# Altium PCB Arribada-PMP-PCB.PcbDoc (part 1 of 4) (continued)
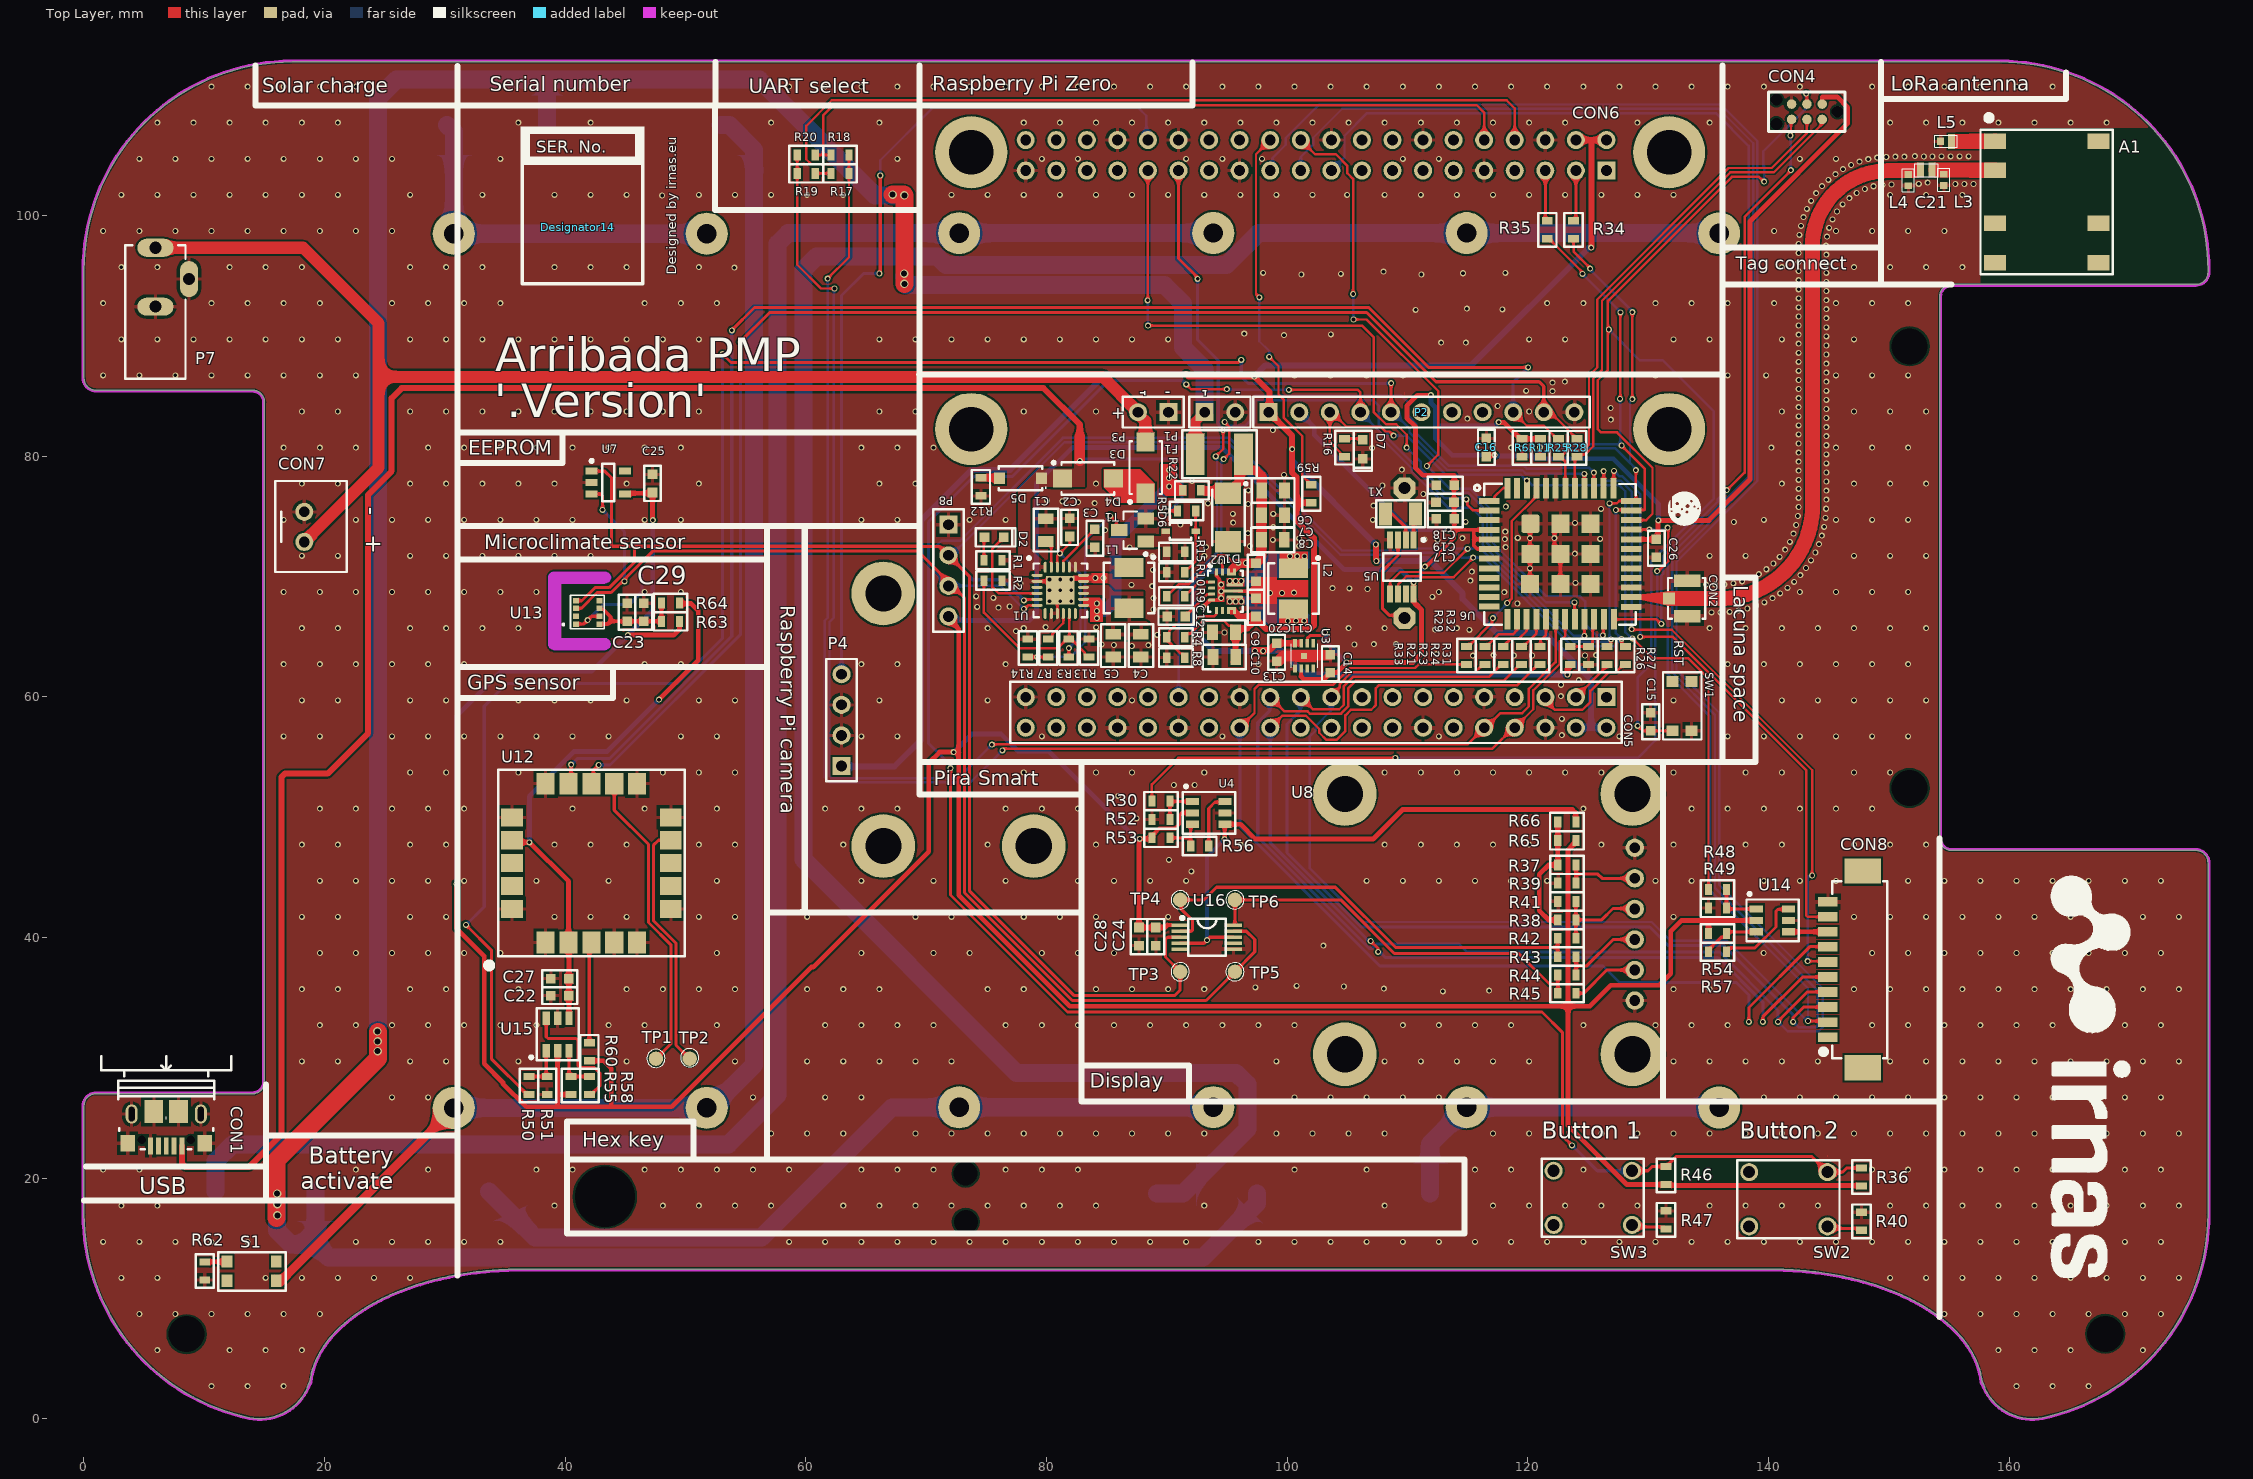
[diagram p0: Top Layer view]
## Part data (continued)
C19: "10uf/0603/20%", Manufacturer=KEMET, Manufacturer Part Number=C0603C106M8PACTU, Supplier Part Number 1=2820985, Pricing 1="10=0.555, 100=0.315, 500=0.238, 1000=0.2, 2000=0.174, 4000=0.143, 20000=0.123 (GBP)", Stock 1=0, Supplier 1=Farnell
C21: library part "C - 1.8pF/0402", "Multilayer Ceramic Capacitors MLCC - SMD/SMT 50volts 1.8pF C0G", Capacitance=1.8pF, Case/Package=0402, Case Code (Metric)=1005, Dielectric Material=Ceramic, IRNAS Part No.=/, Manufacturer=KEMET, Manufacturer Part Number=C0402C189B5GACTU, Max Operating Temperature=125°C, Min Operating Temperature=-55°C, Supplier Part Number 1=2627398, Voltage Rating=50V, Case Code (Imperial)=0402, ComponentLink1Description=https://datasheet.ciiva.com/5413/kem-c1003-c0g-smd-5413366.pdf, ComponentLink1URL=https://datasheet.ciiva.com/5413/kem-c1003-c0g-smd-5413366.pdf, Lead Free="Lead Free", Packaging="Tape and Reel", Pricing 1="10=0.463, 100=0.248, 500=0.182, 2500=0.153, 5000=0.134, 10000=0.11, 50000=0.0961 (EUR)", Stock 1=8950, Supplier 1=Farnell, Termination=SMD/SMT, Voltage Rating (DC)=50V
C22 C23 C28: library part "C - 100nF", "MURATA - GRM188R71C104KA01J - CAP, MLCC, X7R, 0.1UF, 16V, 0603", Capacitance=0.1, Capacitance Tolerance="± 10%", Ceramic Capacitor Case="0603 [1608 Metric]", Dielectric Characteristic=X7, IRNAS Part No.=I-200005, Manufacturer=MURATA, Manufacturer Part Number=GRM188R71C104KA01J, Operating Temperature Max=125, Operating Temperature Min=-55, Supplier Part Number 1=2688519, Voltage Rating=16, Automotive Qualification Standard=-, ComponentLink1Description=http://www.farnell.com/datasheets/2189124.pdf, ComponentLink1URL=http://www.farnell.com/datasheets/2189124.pdf, MSL="MSL 1 - Unlimited", Packaging="Cut Tape", Pricing 1="10=0.0145, 100=0.0126, 500=0.0081, 2500=0.0059, 5000=0.0052, 10000=0.0046, 50000=0.0036, 100000=0.0035 (GBP)", Product Range="GRM Series", RoHS=YES, Stock 1=18297, Supplier 1=Farnell, SVHC="No SVHC (20-Jun-2016"
CON1: library part "Micro USB CHINA 1"
CON2: library part "Antena copnnector", "CONN UMC JACK STR 50 OHM SMD", Dielectric Material="Liquid Crystal Polymer (LCP)", Frequency - Max=6GHz, Housing Color=Beige, Manufacturer=Hirose, Manufacturer Part Number=U.FL-R-SMT-1(10), Operating Temperature="-40°C ~ 90°C", Standard Package=2,500, Supplier Part Number 1=1688077, Voltage Rating=-, Body Finish=Silver, Body Material="Phosphor Bronze", Cable Group=-, Category="Connectors, Interconnects", Center Contact Material=Brass, Center Contact Plating=Gold, ComponentLink1Description=http://www.farnell.com/datasheets/91524.pdf, ComponentLink1URL=http://www.farnell.com/datasheets/91524.pdf, ComponentLink2Description=http://uk.rs-online.com/webdocs/1363/0900766b81363563.pdf, ComponentLink2URL=http://uk.rs-online.com/webdocs/1363/0900766b81363563.pdf, ComponentLink3Description=http://www.farnell.com/datasheets/1947917.pdf, ComponentLink3URL=http://www.farnell.com/datasheets/1947917.pdf, Connector Style="U.FL, Ultra Miniature Coaxial", Connector Type="Receptacle, Male Pin", Contact Termination=Solder, Family="Coaxial Connectors (RF)", Fastening Type=Snap-On, Featured Product="U.FL Series Connectors", Features=-, Impedance="50 Ohm", Ingress Protection=-, Mounting Type="Surface Mount", Online Catalog="UMCC (Ultra Miniature Coax Connectors), U.FL Series", Other Names="H11891TR  Q5400621  U.FL-R-SMT-1 10  U.FL-R-SMT-1(10)-ND  UFLRSMT110", Packaging="Tape & Reel (TR)", Series=U.FL, Shield Termination=Solder, Stock 1=0, Supplier 1=Farnell
CON3: library part CR-2032/VCN, "BATT LITH COIN 3V CELL PC PINS", Capacity="225 mAh", Manufacturer="Panasonic BSG", Operating Temperature Range="- 30 C to + 60 C", Output Voltage="3 V", Supplier Part Number 1=1892670, Battery Size=2032, Brand="Panasonic Battery", Chemistry=Lithium, ComponentLink1Description=http://www.mouser.com/ds/2/315/AAA4000CE51-586417.pdf, ComponentLink1URL=http://www.mouser.com/ds/2/315/AAA4000CE51-586417.pdf, ComponentLink2Description=http://uk.rs-online.com/webdocs/108e/0900766b8108ebf4.pdf, ComponentLink2URL=http://uk.rs-online.com/webdocs/108e/0900766b8108ebf4.pdf, ComponentLink3Description=https://na.industrial.panasonic.com/sites/default/pidsa/files/panasonic-lithium-cr2032-datasheet.pdf, ComponentLink3URL=https://na.industrial.panasonic.com/sites/default/pidsa/files/panasonic-lithium-cr2032-datasheet.pdf, Diameter="20 mm", Factory Pack Quantity=480, Height="3.2 mm", Manufacturer Part Number=CR-2032/VCN, Orientation=Vertical, Packaging=Bulk, Part # Aliases=CR-2032/VCN, Pricing 1="1=0.91, 50=0.892, 100=0.874, 500=0.855, 1000=0.837 (GBP)", Product Category="Coin Cell Battery", Rechargeable/Non-Rechargeable=Non-Rechargeable, RoHS="Not Applicable", Series=CR, Stock 1=1004, Supplier 1=Farnell, Termination Style="Through Hole", Type="Lithium Primary Coil Batteries"
CON4: library part "tag connecot 6 pin"
CON5: "Header, 20-Pin, Dual row", LatestRevisionDate=17-Jul-2002, LatestRevisionNote="Re-released for DXP Platform.", Publisher="Altium Limited"
CON6: "Header, 20-Pin, Dual row", Supplier Part Number 1="RPi header", LatestRevisionDate=17-Jul-2002, LatestRevisionNote="Re-released for DXP Platform.", Publisher="Altium Limited"
CON7: library part "B2B-XH-A (LF)(SN)", "Wire-To-Board Connector, Vertical, 2.5 mm, 2 Contacts, Header, XH Series, Through Hole, 1 Rows", Supplier Part Number 1=1516276, ComponentLink1Description=Datasheet, ComponentLink1URL=http://www.farnell.com/datasheets/2057209.pdf?_ga=2.26100990.2144023421.1568612611-1741076818.1563951383, Supplier 1=Farnell
CON8: library part "PicoBlade 10pin", "Wire-To-Board Connector, Right Angle, 1.25 mm, 10 Contacts, Header, PicoBlade 53261 Series", Supplier Part Number 1=1125377, ComponentLink1Description=Datasheet, ComponentLink1URL=http://www.farnell.com/datasheets/2697773.pdf?_ga=2.235245378.2144023421.1568612611-1741076818.1563951383, Supplier 1=Farnell
D1: "VISHAY - RS1J-E3/61T.. - DIODE, FAST, 1A, 600V, SMD", Alternate Case Style=DO-214, Current Ifsm=30, Forward Current If(AV)=1, Forward Voltage=1.3, Junction Temperature Tj Max=150, Manufacturer=VISHAY, Operating Temperature Min=-55, Operating Temperature Range="-55°C to +150", Repetitive Reverse Voltage Vrrm Max=600, Supplier Part Number 1=9550143, Automotive Qualification Standard=-, ComponentLink1Description=http://www.vishay.com/docs/88869/packagin.pdf, ComponentLink1URL=http://www.vishay.com/docs/88869/packagin.pdf, ComponentLink2Description=http://www.vishay.com/doc?88707, ComponentLink2URL=http://www.vishay.com/doc?88707, ComponentLink3Description=http://www.farnell.com/datasheets/2244878.pdf, ComponentLink3URL=http://www.farnell.com/datasheets/2244878.pdf, Diode Case Style=DO-214, Diode Configuration=Single, Diode Type="Fast Recovery", External Depth=2.79, External Length / Height=2.29, External Width=5.28, Forward Current If Max=1, Forward Surge Current Ifsm Max=30, Forward Voltage VF Max=1.3, Manufacturer Part Number=RS1J-E3/61T.., No. of Pins="2 Pin", Operating Temperature Max=150, Packaging="Cut Tape", Pricing 1="10=0.164, 100=0.111, 200=0.093, 500=0.0847, 1000=0.083, 3000=0.0813, 9000=0.0796, 30000=0.0779 (GBP)", Product Range=RS1, Reverse Recovery Time trr Max=250, RoHS=YES, Stock 1=4705, Supplier 1=Farnell, SVHC="No SVHC (15-Jun-2015)", Tape Width="12mm<!--FANDB--><div class=\"features-and-benefits-container\"><div class=\"features-and-benefits-desc-container\"><span class=\"features-and-benefits-container-desc\">Fast / Ultrafast Diode, 600 V, 1 A, Single, 1.3 V, 250 ns, 30 A</span></div><div class=\"features-and-benefits-description\"><span class=\"features-benefits-value\">The RS1J-E3/5AT is a surface-mount Fast Switching Rectifier with solderable matte tin-plated terminals. It is suitable for use in fast switching rectification of power supply, inverters, converters and freewheeling diodes.</span></div><div class=\"features-and-benefits-list\"><ul class=\"features-and-benefits-list-list\"><li class=\"features-and-benefits-list-item\">Colour band denotes cathode end</li><li class=\"features-and-benefits-list-item\">Low-profile package</li><li class=\"features-and-benefits-list-item\">Ideal for automated placement</li><li class=\"features-and-benefits-list-item\">Glass-passivated pallet chip junction</li><li class=\"features-and-benefits-list-item\">Fast switching for high efficiency</li><li class=\"features-and-benefits-list-item\">High forward surge capability</li><li class=\"features-and-benefits-list-item\">Meets MSL level 1 as per J-STD-020, LF maximum peak of 260°C</li><li class=\"features-and-benefits-list-item\">AEC-Q101 qualified</li><li class=\"features-and-benefits-list-item\">UL94V-0 Flammability rating</li></ul></div><div class=\"features-and-benefits-applications\"><ul class=\"features-and-benefits-value\"><li class=\"features-and-benefits-list-item\">Power Management</li><li class=\"features-and-benefits-list-item\">Consumer Electronics</li><li class=\"features-and-benefits-list-item\">Commercial</li><li class=\"features-and-benefits-list-item\">Communications & Networking</li><li class=\"features-and-benefits-list-item\">Automotive</li></ul></div></div>"
D2: "BROADCOM LIMITED - HSMS-C190 - LED, RED, 10MCD, 626NM", Forward Current If=20, Forward Voltage=2.1, LED Colour=Red, Manufacturer="BROADCOM LIMITED", Manufacturer Part Number=HSMS-C190, Supplier Part Number 1=2497356, Automotive Qualification Standard=-, Bulb Size=-, ComponentLink1Description=http://www.farnell.com/datasheets/313031.pdf, ComponentLink1URL=http://www.farnell.com/datasheets/313031.pdf, ComponentLink2Description=http://www.farnell.com/datasheets/1681524.pdf, ComponentLink2URL=http://www.farnell.com/datasheets/1681524.pdf, ComponentLink3Description=http://www.farnell.com/datasheets/2165483.pdf, ComponentLink3URL=http://www.farnell.com/datasheets/2165483.pdf, LED Mounting=SMD, Lens Shape=Rectangular, Luminous Intensity=10, MSL=-, Packaging="Cut Tape", Pricing 1="1=0.361, 10=0.256, 50=0.235, 100=0.106, 200=0.101 (GBP)", Product Range=-, RoHS=YES, Stock 1=7534, Supplier 1=Farnell, SVHC="No SVHC (17-Dec-2015)<!--FANDB--><div class=\"features-and-benefits-container\"><div class=\"features-and-benefits-description\"><span class=\"features-benefits-value\">The HSMS-C190 is a HER SMD Chip LED with untinted/diffused lens, made of GaP. It is designed in an industry standard package 1.6 x 0.8mm footprint with 0.8mm profile. It is compatible with IR reflow solder processes. The small size and wide viewing angle make this LED prime choices for backlighting applications and front panel illumination especially where space is a premium.</span></div><div class=\"features-and-benefits-list\"><ul class=\"features-and-benefits-list-list\"><li class=\"features-and-benefits-list-item\">Small size</li><li class=\"features-and-benefits-list-item\">Industry standard footprint</li><li class=\"features-and-benefits-list-item\">Compatible with IR solder</li><li class=\"features-and-benefits-list-item\">Diffused optics</li><li class=\"features-and-benefits-list-item\">-40 to 85", Viewing Angle=170°, Wavelength Typ=626
D3 D4: "VISHAY - SE30AFG-M3/6A - RECTIFIER, ESD, 400V, 3A, DO-221AC", Diode Case Style=DO-221, Forward Current If(AV)=3, Forward Surge Current Ifsm Max=40, Forward Voltage VF Max=1.1, Manufacturer=VISHAY, Operating Temperature Max=175, Operating Temperature Min="-55°C<!--FANDB--><div class=\"features-and-benefits-container\"><div class=\"features-and-benefits-desc-container\"><span class=\"features-and-benefits-container-desc\">Standard Recovery Diode, 400 V, 3 A, Single, 1.1 V, 1.5 µs, 40 A</span></div><div class=\"features-and-benefits-description\"><span class=\"features-benefits-value\">The SE30AFG-M3/6A is a surface-mount ESD Capability Rectifier with matte tin-plated solderable leads. It is suitable for use in general-purpose, polarity protection and rail-to-rail protection.</span></div><div class=\"features-and-benefits-list\"><ul class=\"features-and-benefits-list-list\"><li class=\"features-and-benefits-list-item\">Oxide planar chip junction</li><li class=\"features-and-benefits-list-item\">Low forward voltage drop, low leakage current</li><li class=\"features-and-benefits-list-item\">Very low profile - Typical height of 0.95", Repetitive Reverse Voltage Vrrm Max=400, Supplier Part Number 1=2313878, Automotive Qualification Standard=-, ComponentLink1Description=http://www.farnell.com/datasheets/2049981.pdf, ComponentLink1URL=http://www.farnell.com/datasheets/2049981.pdf, Diode Configuration=Single, Diode Type="Standard Recovery", Manufacturer Part Number=SE30AFG-M3/6A, MSL="MSL 1 - Unlimited", No. of Pins=2, Packaging=Each, Pricing 1="1=0.306, 25=0.0765, 100=0.0753, 250=0.0729, 500=0.072, 1000=0.0654 (GBP)", Product Range=SE30, Reverse Recovery Time trr Max=1.5, RoHS=YES, Stock 1=13984, Supplier 1=Farnell
D5: "DIODES INC. - BZT52C6V2 - DIODE, ZENER, 6.2V, 0.5W, SOD-123", Diode Case Style=SOD-123, Manufacturer="DIODES INC.", Operating Temperature Max=150, Operating Temperature Min=-65, Operating Temperature Range="-65°C to +150°C<!--FANDB--><div class=\"features-and-benefits-container\"><div class=\"features-and-benefits-desc-container\"><span class=\"features-and-benefits-container-desc\">Zener Single Diode, 6.2 V, 500 mW, SOD-123, 6 %, 2 Pins, 150 °C</span></div><div class=\"features-and-benefits-description\"><span class=\"features-benefits-value\">The BZT52C6V2 is a surface mount Zener Diode with moulded plastic case, matte tin annealed over Alloy 42 lead frame (lead-free plating) terminals and cathode band polarity. It is ideally suited for automated assembly processes.</span></div><div class=\"features-and-benefits-list\"><ul class=\"features-and-benefits-list-list\"><li class=\"features-and-benefits-list-item\">Planar die construction</li><li class=\"features-and-benefits-list-item\">500mW Power dissipation</li><li class=\"features-and-benefits-list-item\">General purpose, medium current</li><li class=\"features-and-benefits-list-item\">Totally lead-free</li><li class=\"features-and-benefits-list-item\">Halogen and antimony-free - Green device</li><li class=\"features-and-benefits-list-item\">Qualified to AEC-Q101 standards for high reliability</li></ul></div><div class=\"features-and-benefits-applications\"><ul class=\"features-and-benefits-value\"><li class=\"features-and-benefits-list-item\">Automation & Process Control</li></ul></div></div>", Power Dissipation Pd=500, Supplier Part Number 1=1902438, Zener Tolerance ±=6%, Zener Voltage Vz Typ=6.2, Automotive Qualification Standard=-, ComponentLink1Description=http://www.farnell.com/datasheets/1670962.pdf, ComponentLink1URL=http://www.farnell.com/datasheets/1670962.pdf, Manufacturer Part Number=BZT52C6V2, MSL="MSL 1 - Unlimited", No. of Pins=2, Packaging="Cut Tape", Pricing 1="1=0.415, 25=0.264, 100=0.0727, 250=0.0546, 500=0.047, 1000=0.0334, 3000=0.0278, 7000=0.0236 (GBP)", Product Range="BZT52 Series", RoHS=YES, Stock 1=4408, Supplier 1=Farnell, SVHC="No SVHC (12-Jan-2017)"
D6: library part MM3Z3V0T1G, "ON SEMICONDUCTOR - MM3Z3V0T1G - ZENER DIODE, 200MW, 3V, SOD-323", Diode Case Style=SOD-323, Manufacturer="ON SEMICONDUCTOR", Operating Temperature Max=150, Power Dissipation Pd=300, Supplier Part Number 1=2463510, Zener Tolerance ±=5%, Zener Voltage Vz Typ=3, Automotive Qualification Standard=-, ComponentLink1Description=http://www.farnell.com/datasheets/1876691.pdf, ComponentLink1URL=http://www.farnell.com/datasheets/1876691.pdf, ComponentLink2Description=http://www.farnell.com/datasheets/2306645.pdf, ComponentLink2URL=http://www.farnell.com/datasheets/2306645.pdf, Manufacturer Part Number=MM3Z3V0T1G, MSL="MSL 1 - Unlimited<!--FANDB--><div class=\"features-and-benefits-container\"><div class=\"features-and-benefits-desc-container\"><span class=\"features-and-benefits-container-desc\">Zener Single Diode, 3 V, 300 mW, SOD-323, 5 %, 2 Pins, 150 °C</span></div></div>", No. of Pins=2, Packaging="Cut Tape", Pricing 1="5=0.126, 50=0.0544, 250=0.0443, 500=0.0288, 1500=0.0274 (GBP)", Product Range="MM3Z3 Series", RoHS=YES, Stock 1=6591, Supplier 1=Farnell, SVHC="No SVHC (07-Jul-2017)"
D7: library part "LED - LED GREEN", "HSME-C191 -  LED, Green, SMD, 0603, 20 mA, 2.1 V, 572 nm", Forward Current If=20, Forward Voltage=2.1, LED Colour=Red, Manufacturer="BROADCOM LIMITED", Manufacturer Part Number=HSMS-C190, Supplier Part Number 1=1219743, Automotive Qualification Standard=-, Bulb Size=-, ComponentLink3Description=Datasheet, ComponentLink3URL=http://www.farnell.com/datasheets/2095939.pdf?_ga=2.85835929.1644194861.1561957338-1373726713.1554121096, LED Mounting=SMD, Lens Shape=Rectangular, Luminous Intensity=10, MSL=-, Packaging="Cut Tape", Pricing 1="1=0.361, 10=0.256, 50=0.235, 100=0.106, 200=0.101 (GBP)", Product Range=-, RoHS=YES, Stock 1=7534, Supplier 1=Farnell, SVHC="No SVHC (17-Dec-2015)<!--FANDB--><div class=\"features-and-benefits-container\"><div class=\"features-and-benefits-description\"><span class=\"features-benefits-value\">The HSMS-C190 is a HER SMD Chip LED with untinted/diffused lens, made of GaP. It is designed in an industry standard package 1.6 x 0.8mm footprint with 0.8mm profile. It is compatible with IR reflow solder processes. The small size and wide viewing angle make this LED prime choices for backlighting applications and front panel illumination especially where space is a premium.</span></div><div class=\"features-and-benefits-list\"><ul class=\"features-and-benefits-list-list\"><li class=\"features-and-benefits-list-item\">Small size</li><li class=\"features-and-benefits-list-item\">Industry standard footprint</li><li class=\"features-and-benefits-list-item\">Compatible with IR solder</li><li class=\"features-and-benefits-list-item\">Diffused optics</li><li class=\"features-and-benefits-list-item\">-40 to 85", Viewing Angle=170°, Wavelength Typ=626
F1: library part "PTC FUSE 3A", "LITTELFUSE - MINISMDC150F/24-2 - POLYSWITCH, SMD, 1812, 1.5A", Manufacturer=LITTELFUSE, Manufacturer Part Number=MINISMDC150F/24-2, Supplier Part Number 1=1345929, ComponentLink1Description=http://www.farnell.com/datasheets/2363925.pdf, ComponentLink1URL=http://www.farnell.com/datasheets/2363925.pdf, ComponentLink2Description=http://www.farnell.com/datasheets/2282569.pdf, ComponentLink2URL=http://www.farnell.com/datasheets/2282569.pdf, Pricing 1="1=0.463, 50=0.382, 100=0.327, 250=0.302, 500=0.256, 1000=0.254, 5000=0.253, 10000=0.251 (GBP)", RoHS=YES, Stock 1=9256, Supplier 1=Farnell
L1 L2: library part "1.5uH 5.1A", "MURATA - FDSD0420-H-1R5M=P3 - INDUCTOR, SHIELDED, 1.5UH, 5.1A, 20%", DC Resistance Max=0.036, Inductance=1.5, Inductance Tolerance="± 20%", Inductor Construction=Shielded, Manufacturer=MURATA, Manufacturer Part Number=FDSD0420-H-1R5M=P3, Power Inductor Case="4.2mm x 4.2mm x 2", RMS Current (Irms)=5.1, Saturation Current (Isat)=7.7, Supplier Part Number 1=2530091, ComponentLink1Description=http://www.farnell.com/datasheets/2021980.pdf, ComponentLink1URL=http://www.farnell.com/datasheets/2021980.pdf, MSL="MSL 1 - Unlimited<!--FANDB--><div class=\"features-and-benefits-container\"></div>", Packaging=Each, Pricing 1="5=0.79, 50=0.448, 250=0.422, 500=0.377, 1000=0.305, 2000=0.298, 10000=0.291, 20000=0.284 (GBP)", Product Range="FDSD0420 Series", RoHS=YES, Stock 1=1471, Supplier 1=Farnell, SVHC="No SVHC (17-Dec-2015)"
L3 L4: library part "L - 4.3nH/0402", "Inductor RF Chip Multi-Layer 4.3nH 0.3nH 100MHz 8Q-Factor Air 300mA 210mOhm DCR 0402 Paper T/R", Case/Package=0402, Case Code (Metric)=1005, Current=300mA, DC Resistance (DCR)=210mR, Inductance=4.3nh, IRNAS Part No.=/, Manufacturer=Murata, Manufacturer Part Number=LQG15HN4N3S02D, Max Operating Temperature=125°C, Min Operating Temperature=-55°C, Package Quantity=10000, Self Resonant Frequency=6GHz, Supplier Part Number 1=1711735, Test Frequency=100MHz, Case Code (Imperial)=0402, ComponentLink1Description=http://uk.rs-online.com/webdocs/0f10/0900766b80f10808.pdf?src-supplier=RSComponents, ComponentLink1URL=http://uk.rs-online.com/webdocs/0f10/0900766b80f10808.pdf?src-supplier=RSComponents, ComponentLink2Description=http://search.murata.co.jp/Ceramy/image/img/PDF/ENG/L0075S0083LQG15HN.pdf?src-supplier=Avnet, ComponentLink2URL=http://search.murata.co.jp/Ceramy/image/img/PDF/ENG/L0075S0083LQG15HN.pdf?src-supplier=Avnet, ComponentLink3Description=http://www.farnell.com/datasheets/66026.pdf?src-supplier=Element14, ComponentLink3URL=http://www.farnell.com/datasheets/66026.pdf?src-supplier=Element14, ComponentLink4Description=https://www.verical.com/server-webapp/html/getDatasheet?partID=31252&src-supplier=Verical, ComponentLink4URL=https://www.verical.com/server-webapp/html/getDatasheet?partID=31252&src-supplier=Verical, ComponentLink5Description=http://search.murata.co.jp/Ceramy/image/img/PDF/ENG/L0075S0083LQG15HN.pdf?src-supplier=Avnet+Europe, ComponentLink5URL=http://search.murata.co.jp/Ceramy/image/img/PDF/ENG/L0075S0083LQG15HN.pdf?src-supplier=Avnet+Europe, ComponentLink6Description=https://search.murata.co.jp/Ceramy/image/img/P02/partnumberingAT_LQ3E.pdf?src-supplier=Digi-Key, ComponentLink6URL=https://search.murata.co.jp/Ceramy/image/img/P02/partnumberingAT_LQ3E.pdf?src-supplier=Digi-Key, Core Material=Air, Current Rating=300mA, DC Current=300mA, Depth=0.55mm, Height=0.5mm, Height - Seated (Max)=0.022inch, Lead Free="Lead Free", Length=1.05mm, Max DC Current=300mA, Military Standard=Not, Mount="Surface Mount", Packaging="Tape and Reel", Pricing 1="1 = 0.10000, 10 = 0.06100, 100 = 0.04040, 500 = 0.03366, 1000 = 0.02827, 2500 = 0.02423 (USD)", Q Factor=8, Radiation Hardening=No, REACH SVHC="No SVHC", RoHS=Yes, Shielding=Unshielded, Stock 1=3502, Supplier 1=Farnell, Termination=SMD/SMT, Width=0.02inch
L5: library part "L - 4.3nH/0402", "Inductor RF Chip Multi-Layer 4.3nH 0.3nH 100MHz 8Q-Factor Air 300mA 210mOhm DCR 0402 Paper T/R", Case/Package=0402, Case Code (Metric)=1005, Current=300mA, DC Resistance (DCR)=210mR, Inductance=4.3nh, IRNAS Part No.=/, Manufacturer=Murata, Manufacturer Part Number=LQG15HN4N3S02D, Max Operating Temperature=125°C, Min Operating Temperature=-55°C, Package Quantity=10000, Self Resonant Frequency=6GHz, Supplier Part Number 1=1343066, Test Frequency=100MHz, Case Code (Imperial)=0402, ComponentLink1Description=http://uk.rs-online.com/webdocs/0f10/0900766b80f10808.pdf?src-supplier=RSComponents, ComponentLink1URL=http://uk.rs-online.com/webdocs/0f10/0900766b80f10808.pdf?src-supplier=RSComponents, ComponentLink2Description=http://search.murata.co.jp/Ceramy/image/img/PDF/ENG/L0075S0083LQG15HN.pdf?src-supplier=Avnet, ComponentLink2URL=http://search.murata.co.jp/Ceramy/image/img/PDF/ENG/L0075S0083LQG15HN.pdf?src-supplier=Avnet, ComponentLink3Description=http://www.farnell.com/datasheets/66026.pdf?src-supplier=Element14, ComponentLink3URL=http://www.farnell.com/datasheets/66026.pdf?src-supplier=Element14, ComponentLink4Description=https://www.verical.com/server-webapp/html/getDatasheet?partID=31252&src-supplier=Verical, ComponentLink4URL=https://www.verical.com/server-webapp/html/getDatasheet?partID=31252&src-supplier=Verical, ComponentLink5Description=http://search.murata.co.jp/Ceramy/image/img/PDF/ENG/L0075S0083LQG15HN.pdf?src-supplier=Avnet+Europe, ComponentLink5URL=http://search.murata.co.jp/Ceramy/image/img/PDF/ENG/L0075S0083LQG15HN.pdf?src-supplier=Avnet+Europe, ComponentLink6Description=https://search.murata.co.jp/Ceramy/image/img/P02/partnumberingAT_LQ3E.pdf?src-supplier=Digi-Key, ComponentLink6URL=https://search.murata.co.jp/Ceramy/image/img/P02/partnumberingAT_LQ3E.pdf?src-supplier=Digi-Key, Core Material=Air, Current Rating=300mA, DC Current=300mA, Depth=0.55mm, Height=0.5mm, Height - Seated (Max)=0.022inch, Lead Free="Lead Free", Length=1.05mm, Max DC Current=300mA, Military Standard=Not, Mount="Surface Mount", Packaging="Tape and Reel", Pricing 1="1 = 0.10000, 10 = 0.06100, 100 = 0.04040, 500 = 0.03366, 1000 = 0.02827, 2500 = 0.02423 (USD)", Q Factor=8, Radiation Hardening=No, REACH SVHC="No SVHC", RoHS=Yes, Shielding=Unshielded, Stock 1=3502, Supplier 1=Farnell, Termination=SMD/SMT, Width=0.02inch
P1 P3: "Header, 2-Pin", LatestRevisionDate=17-Jul-2002, LatestRevisionNote="Re-released for DXP Platform.", Publisher="Altium Limited"
P2: "Header, 11-Pin", Supplier Part Number 1="Header 2.54mm", LatestRevisionDate=17-Jul-2002, LatestRevisionNote="Re-released for DXP Platform.", Publisher="Altium Limited"
P4: "Header, 4-Pin", Supplier Part Number 1="Header 2.54 mm", LatestRevisionDate=17-Jul-2002, LatestRevisionNote="Re-released for DXP Platform.", Publisher="Altium Limited"
P5 P6 P9 P10 P11 P12: "BATERRY HOLDER 18650", Supplier Part Number 1="Battery holder for 18650"
P7: library part "CONN PWR JACK 1.05X3.5MM", "Power Barrel Connector Jack 1.05mm ID (0.041\"), 3.50mm OD (0.138\") Through Hole, Right Angle", Supplier Part Number 1=2472141, ComponentLink1Description=Datasheet, ComponentLink1URL=https://katalog.we-online.de/em/datasheet/6941xx303002.pdf, Supplier 1=Farnell
P8: "Header, 4-Pin", Supplier Part Number 1="Header 2.54mm", LatestRevisionDate=17-Jul-2002, LatestRevisionNote="Re-released for DXP Platform.", Publisher="Altium Limited"
R1 R14: "MULTICOMP - MCMR06X471 JTL - RES, CERAMIC, 470R, 5%, 0.1W, 0603", Manufacturer=MULTICOMP, Manufacturer Part Number="MCMR06X471 JTL", Supplier Part Number 1=2073513, ComponentLink1Description=http://www.farnell.com/datasheets/1716707.pdf, ComponentLink1URL=http://www.farnell.com/datasheets/1716707.pdf, Pricing 1="10=0.0089, 100=0.0076, 500=0.0063, 1000=0.0049, 2500=0.0033, 5000=0.0024, 25000=0.0016, 50000=0.0013 (GBP)", RoHS=Y-EX, Stock 1=3786, Supplier 1=Farnell
R2: library part "R - B57321V2103J060", "Thermistor, NTC, 10 kohm, B57321V2 Series, 4000 K, SMD, 0603 [1608 Metric]", Supplier Part Number 1=1299914, ComponentLink1Description=Datasheet, ComponentLink1URL=http://www.farnell.com/datasheets/2095479.pdf?_ga=2.12516721.43509124.1568358807-1741076818.1563951383, Supplier 1=Farnell
R3: "MULTICOMP - MCMR06X5601FTL - RES, CERAMIC, 5K6, 1%, 0.1W, 0603", Manufacturer=MULTICOMP, Manufacturer Part Number=MCMR06X5601FTL, Power Rating=100, Resistance=5.6, Resistance Tolerance="± 1%", Resistor Case Style="0603 [1608 Metric]", Resistor Element Material=Ceramic, Resistor Mounting="Surface Mount Device<!--FANDB--><div class=\"features-and-benefits-container\"><div class=\"features-and-benefits-desc-container\"><span class=\"features-and-benefits-container-desc\">SMD Chip Resistor, Ceramic, 5.6 kohm, 75 V, 0603 [1608 Metric], 100 mW, ± 1%, MCMR Series</span></div><div class=\"features-and-benefits-description\"><span class=\"features-benefits-value\">The Multicomp MCMR series resistors are automotive grade, anti sulphured thick film chip resistor. The resistance range includes E24 and E96 decade values from 1ohm to 10Mohm. These resistors are constructed on top of a high grade ceramic body.</span></div><div class=\"features-and-benefits-list\"><ul class=\"features-and-benefits-list-list\"><li class=\"features-and-benefits-list-item\">EIA 0402, 0603, 0805, 1206 chip sizes available</li><li class=\"features-and-benefits-list-item\">High reliability and stability</li><li class=\"features-and-benefits-list-item\">Automotive grade AEC-Q200 compliant</li><li class=\"features-and-benefits-list-item\">Complaint with (IEC 60068-1) 55/155/56 climatic category</li><li class=\"features-and-benefits-list-item\">Maximum operation voltage of 50V, 75V, 150V and 200V</li><li class=\"features-and-benefits-list-item\">Power rating of 62.5mW, 100mW, 125mW and 250mW</li><li class=\"features-and-benefits-list-item\">Available in ±1% and ±5% tolerance</li><li class=\"features-and-benefits-list-item\">Temperature coefficient (TCR) of +200ppm/°C, +100ppm/°C and -200ppm/°C to +400ppm/°C</li><li class=\"features-and-benefits-list-item\">Operating temperature range -55°C to 155", Supplier Part Number 1=2073537, Temperature Coefficient="± 100", Voltage Rating=75, Automotive Qualification Standard=-, ComponentLink1Description=http://www.farnell.com/datasheets/1716707.pdf, ComponentLink1URL=http://www.farnell.com/datasheets/1716707.pdf, Packaging="Cut Tape", Pricing 1="10=0.0088, 100=0.0053, 500=0.0037, 1000=0.0029, 2500=0.0024 (GBP)", Product Range="MCMR Series", RoHS=Y-EX, Stock 1=9135, Supplier 1=Farnell, SVHC="No SVHC (07-Jul-2017)"